# Allegro board A523-EVB-AXP717C-LPDDR4-4X-32X1-V1-0.brd (continued)
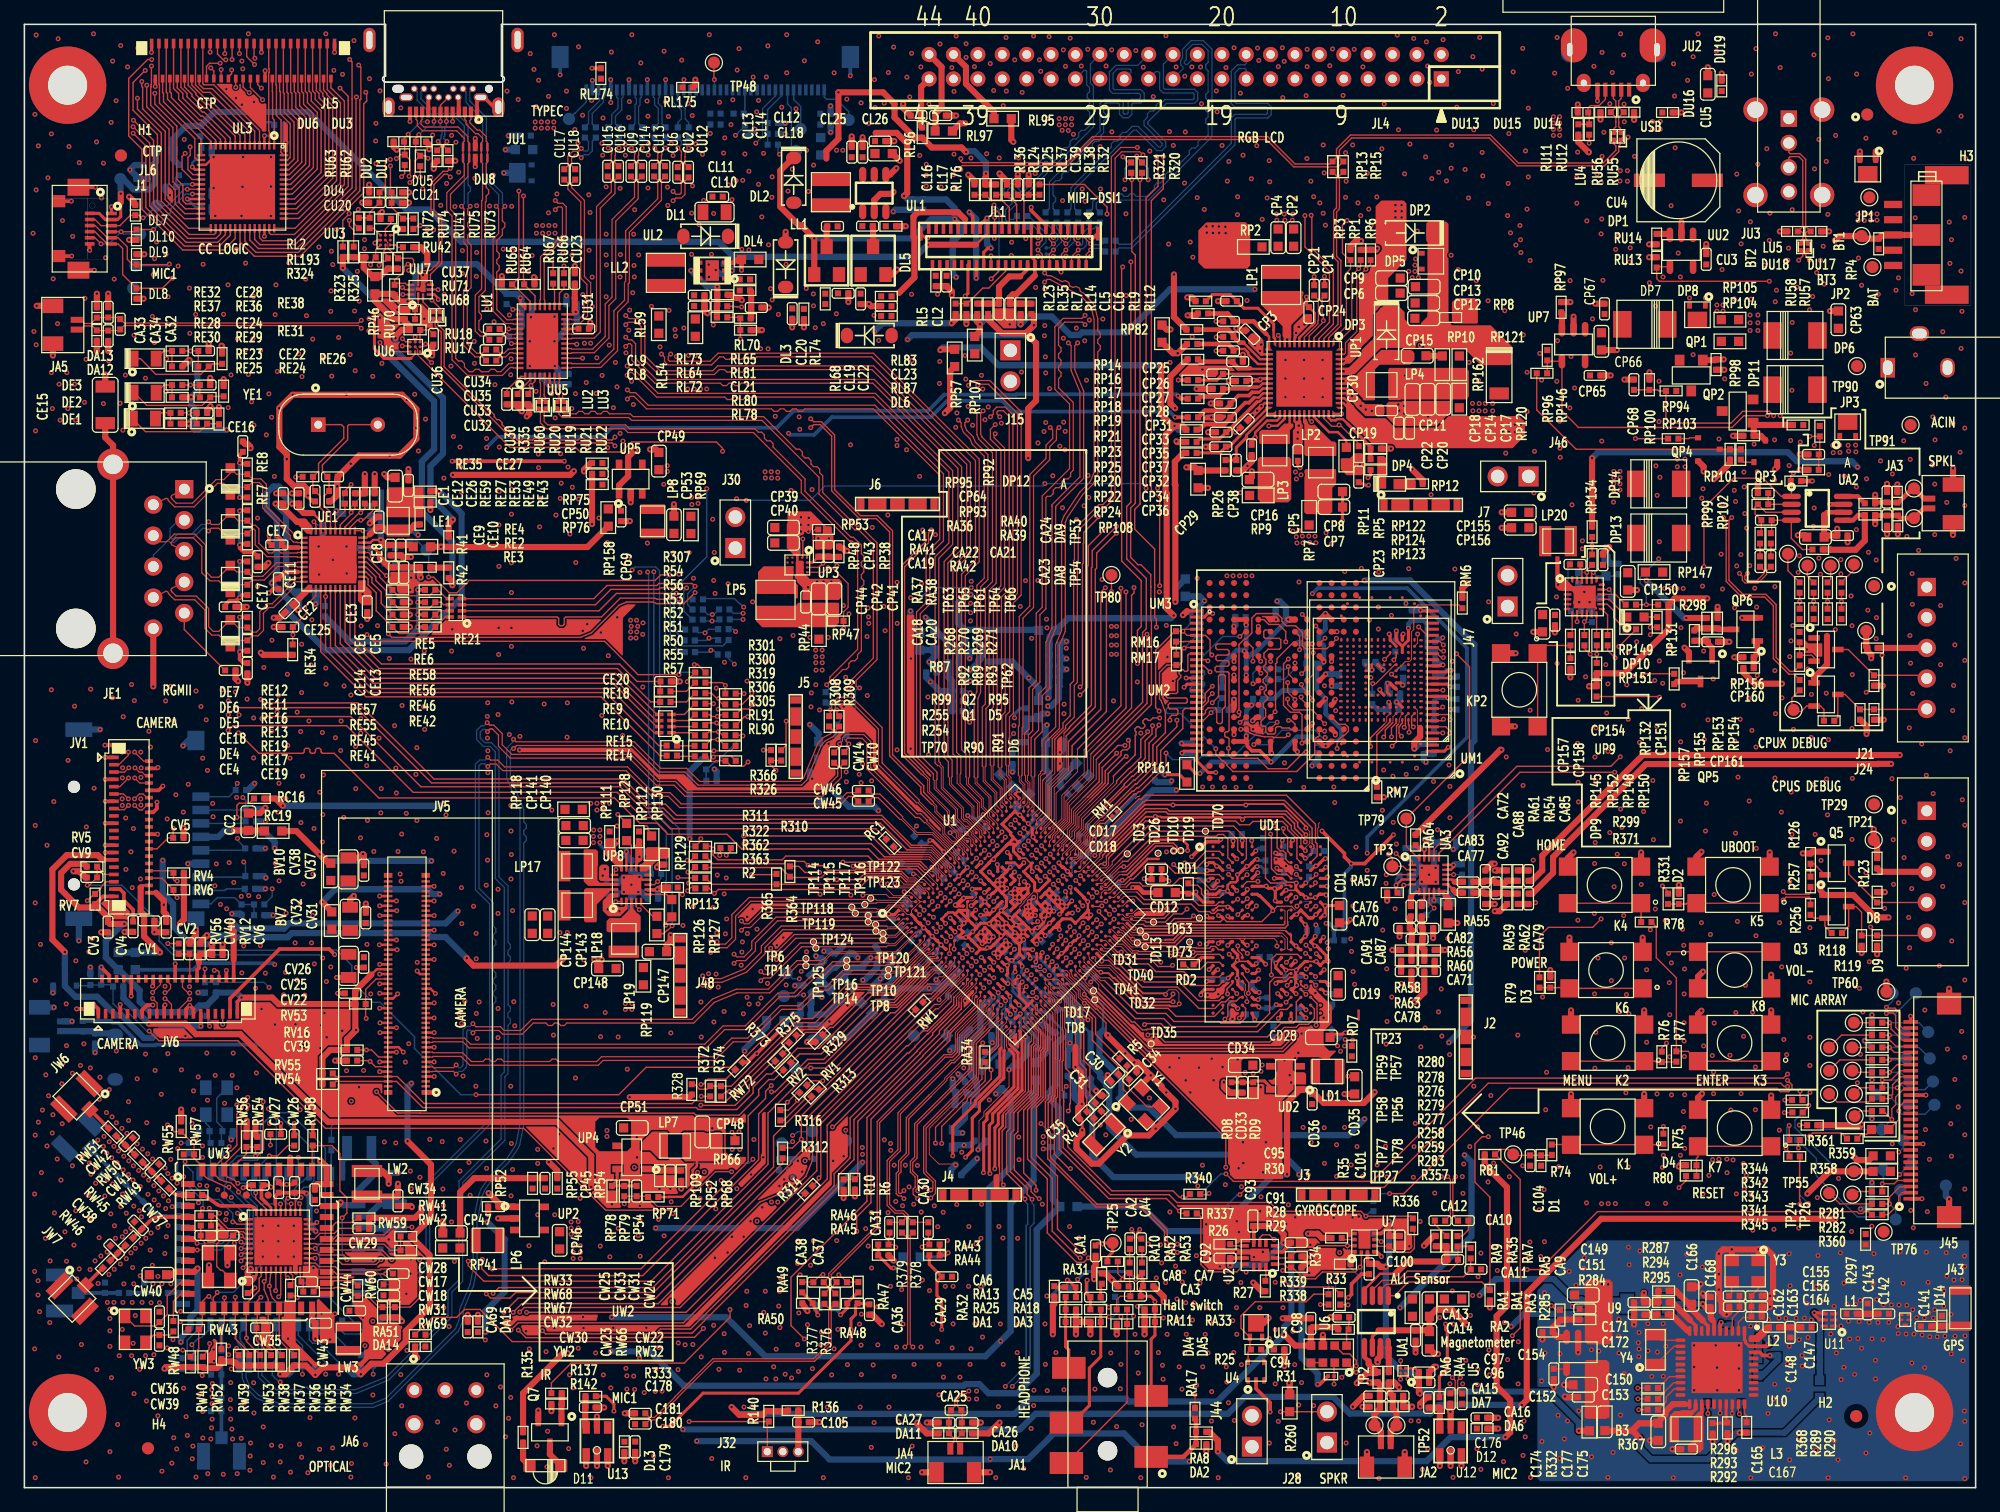
[diagram p0: board, top side]
## Placement (name value [footprint] x y rotation side) (continued)
R375  NC  [R0402]  63 36.79 225 top
R376  NC/0R  [R0402]  66.5 15.49 90 top
R377  NC/0R  [R0402]  65.61 15.49 90 top
R378  NC/0R  [R0402]  72.85 21.34 90 top
R379  NC/0R  [R0402]  71.96 21.34 90 top
RA1  0.01R-1%  [R0603]  113.82 14.76 90 top
RA2  NC/0.01R-1%  [R0603]  117.14 15.47 180 top
RA3  1M  [R0402]  120.17 15.77 90 top
RA4  0R  [R0402]  111.87 9.04 270 top
RA5  NC/20K  [R0402]  118.59 19.22 90 top
RA6  0R  [R0402]  110.98 9.04 270 top
RA7  150K  [R0402]  117.51 20.21 270 top
RA8  1M  [R0402]  96.49 4.57 0 top
RA9  NC/20K  [R0402]  115.72 20.22 90 top
RA10  2K  [R0402]  89.23 18.54 180 top
RA11  0R  [R0402]  89.99 14.61 0 top
RA13  0R  [R0402]  85.8 15.62 180 top
RA17  47K  [R0402]  95.99 6.1 270 top
RA18  0R  [R0402]  87.83 14.61 0 top
RA25  NC/100K  [R0402]  85.8 14.61 180 top
RA31  22R  [R0402]  88.34 17.14 270 top
RA32  22R  [R0402]  84.45 16.1 90 top
RA33  0R  [R0402]  92.28 14.61 0 top
RA34  1K  [R0402]  78.76 35.31 90 top
RA35  150K  [R0402]  116.61 20.22 270 top
RA36  1M  [R0402]  145.26 82.55 180 top
RA37  150K  [R0402]  142.32 77.85 90 top
RA38  150K  [R0402]  143.21 77.85 90 top
RA39  0R  [R0402]  151.33 79.76 0 top
RA40  0R  [R0402]  151.33 80.72 0 top
RA41  NC/20K  [R0402]  142.57 80.64 180 top
RA42  NC/20K  [R0402]  147.04 76.94 0 top
RA43  2.2K  [R0402]  74.63 19.94 180 top
RA44  330R  [R0402]  74.63 19.05 180 top
RA45  330R  [R0402]  70.43 19.05 0 top
RA46  2.2K  [R0402]  70.43 19.94 0 top
RA47  2.2K  [R0402]  68.38 16.43 90 top
RA48  330R  [R0402]  67.89 15.11 0 top
RA49  2.2K  [R0402]  63.78 16.43 90 top
RA50  330R  [R0402]  64.21 15.11 180 top
RA51  0R  [R0402]  32.46 12.55 0 top
RA52  1K  [R0402]  90.63 18.03 270 top
RA53  1K  [R0402]  91.64 18.03 270 top
RA54  20K-1%  [R0402]  122.45 50.19 270 top
RA55  0R  [R0603]  116.74 47.02 90 top
RA56  2K-1%  [R0402]  115.21 44.09 0 top
RA57  51K  [R0402]  112.17 48.79 180 top
RA58  2K-1%  [R0402]  113.31 44.09 0 top
RA59  2K-1%  [R0402]  121.56 48.29 270 top
RA60  20K-1%  [R0402]  115.21 43.21 180 top
RA61  2K-1%  [R0402]  121.56 50.19 270 top
RA62  20K-1%  [R0402]  122.45 48.29 90 top
RA63  20K-1%  [R0402]  113.31 43.21 0 top
RA64  0R  [R0402]  114.07 53.11 270 top
RC1  33R  [R0402]  70.98 52.87 135 top
RC15  NC/47K  [R0402]  19.25 46.94 0 bottom
RC16  NC/10K  [R0402]  19.25 56.52 0 top
RC19  2.2R  [R0603]  20.4 53.85 180 top
RC20  1K  [R0402]  19.25 47.83 180 bottom
RD1  0R  [R0402]  95.44 49.13 270 top
RD2  0R  [R0402]  95.44 42.91 0 top
RD3  240R-1%  [R0402]  101.57 52.85 270 bottom
RD4  240R-1%  [R0402]  103.24 52.16 270 bottom
RD5  120R-1%  [R0402]  86.29 51.53 45 bottom
RD6  NC/0R  [R0402]  107.81 45.87 180 bottom
RD7  NC/0.01R-1%  [R0402]  108.85 35.8 90 top
RD8  2K-1%  [R0402]  98.98 32.82 270 top
RD9  100K-1%  [R0402]  100.76 32.82 90 top
RD10  0.01R-1%  [R0402]  107.5 37.24 135 bottom
RE1  0R  [R0603]  23.24 73.37 180 bottom
RE2  0R  [R0402]  32.86 80.81 0 top
RE3  NC/0R  [R0402]  32.43 79.42 90 top
RE4  0R  [R0402]  32.86 81.73 0 top
RE5  0R  [R0603]  32.59 77.16 180 top
RE6  0R  [R0402]  32.86 75.48 180 top
RE7  NC/49.9R-1%  [R0402]  18.28 81.63 270 top
RE8  NC/49.9R-1%  [R0402]  18.28 83.53 90 top
RE9  0R  [R0402]  52.56 64.44 180 top
RE10  0R  [RA8P50B100_200H45]  52.56 62.66 180 top
RE11  NC/49.9R-1%  [R0402]  18.28 77.82 270 top
RE12  NC/49.9R-1%  [R0402]  18.28 79.72 90 top
RE13  NC/49.9R-1%  [R0402]  18.28 73.63 270 top
RE14  0R  [R0402]  53.09 60.03 180 top
RE15  0R  [R0402]  53.09 60.86 180 top
RE16  NC/49.9R-1%  [R0402]  18.28 75.53 90 top
RE17  NC/49.9R-1%  [R0402]  18.28 69.05 270 top
RE18  0R  [R0402]  52.56 65.3 180 top
RE19  NC/49.9R-1%  [R0402]  18.28 70.96 90 top
RE20  0R  [R0402]  29.97 77.06 180 bottom
RE21  0R  [RA8P50B100_200H45]  35.38 72.15 180 top
RE22  0R  [R0402]  29.84 71.72 90 bottom
RE23  NC/0R  [R0402]  12.4 88.14 180 top
RE24  0R  [R0402]  14.56 87.25 0 top
RE25  510R  [R0402]  12.4 87.25 0 top
RE26  NC/510R  [R0402]  15.96 87.63 270 top
RE27  0R  [R0402]  26.29 81.12 270 top
RE28  0R  [R0402]  12.53 90.43 180 top
RE29  NC/0R  [R0402]  14.81 89.41 0 top
RE30  NC/510R  [R0402]  12.53 89.41 0 top
RE31  510R  [R0402]  16.34 89.92 270 top
RE32  NC/0R  [R0402]  12.53 93.22 180 top
RE33  4.7K  [R0402]  28.8 78.48 180 bottom
RE34  4.7K  [R0402]  22 68.72 90 top
RE35  0R  [R0402]  23.24 82.9 0 top
RE36  0R  [R0402]  14.69 91.95 0 top
RE37  510R  [R0402]  12.53 91.95 0 top
RE38  NC/510R  [R0402]  16.21 92.59 270 top
RE39  1.5K  [R0402]  24.64 71.87 90 bottom
RE40  2.49K-1%  [R0402]  24.46 78.53 90 bottom
RE41  NC/4.7K  [R0402]  30.6 70.58 180 top
RE42  4.7K  [R0402]  33.27 70.58 180 top
RE43  NC/4.7K  [R0402]  28.72 81.12 270 top
RE44  4.7K  [R0402]  28.8 79.7 0 bottom
RE45  4.7K  [R0402]  30.6 71.59 180 top
RE46  NC/4.7K  [R0402]  33.27 71.59 180 top
RE47  4.7K  [R0402]  27.94 77.06 0 bottom
RE48  NC/4.7K  [R0402]  29.97 75.79 0 bottom
RE49  4.7K  [R0402]  27.91 81.12 270 top
RE50  NC/4.7K  [R0402]  28.8 80.51 0 bottom
RE51  4.7K  [R0402]  30.35 73.12 180 bottom
RE52  NC/4.7K  [R0402]  30.35 74.01 0 bottom
RE53  4.7K  [R0402]  27.1 81.12 270 top
RE54  NC/4.7K  [R0402]  28.8 81.6 0 bottom
RE55  4.7K  [R0402]  30.6 72.61 180 top
RE56  NC/4.7K  [R0402]  33.27 72.61 180 top
RE57  NC/4.7K  [R0402]  30.6 73.63 180 top
RE58  4.7K  [R0402]  33.27 73.63 180 top
RE59  0R  [R0402]  24.99 81.31 90 top
RL1  3K-1%  [R0402]  76.12 101.88 90 bottom
RL2  2K  [R0402]  26.11 101.35 90 top
RL3  0R  [R0402]  12.67 108.05 90 bottom
RL5  2.2K-1%  [R0402]  74.73 98.96 90 top
RL7  NC/0R  [R0402]  78.13 96.67 90 top
RL9  0R  [R0402]  81.69 96.67 90 top
RL12  NC/0R  [R0402]  82.58 96.67 90 top
RL14  0R  [R0402]  79.02 96.67 90 top
RL21  0R  [R0402]  89.05 101.37 0 bottom
RL22  0R  [R0402]  89.05 102.26 0 bottom
RL23  NC/10K  [R0402]  76.35 96.67 270 top
RL24  10K  [R0402]  78.79 106.45 90 top
RL25  10K  [R0402]  79.68 106.45 90 top
RL26  0R  [R0402]  87.3 104.17 90 bottom
RL27  0R  [R0402]  88.19 104.17 90 bottom
RL28  0R  [R0402]  86.41 104.17 90 bottom
RL29  0R  [R0402]  85.52 104.17 90 bottom
RL30  0R  [R0402]  83.74 104.17 90 bottom
RL31  0R  [R0402]  84.63 104.17 90 bottom
RL32  1.5K  [R0402]  83.24 106.45 270 top
RL33  0R  [R0402]  81.81 104.29 180 bottom
RL34  0R  [R0402]  81.81 103.4 180 bottom
RL35  10K  [R0402]  77.24 96.67 90 top
RL36  NC/10K  [R0402]  77.9 106.45 270 top
RL37  NC/10K  [R0402]  80.57 106.45 270 top
RL38  1.8K  [R0402]  82.35 106.45 270 top
RL54  0.01R-1%  [R0603]  55.01 95.13 90 top
RL59  NC/0.01R-1%  [R0603]  52.02 95.38 90 top
RL63  75K-1%  [R0402]  73.71 105.22 90 bottom
RL64  NC/0R  [R0402]  57.21 96.89 180 top
RL65  0R  [R0402]  59.08 99.09 180 top
RL68  2K  [R0402]  65.67 97.49 270 top
RL70  2.2R-1%  [R0603]  59.51 100.72 180 top
RL72  0R  [R0402]  57.21 95.97 180 top
RL73  100K  [R0402]  57.24 97.83 180 top
RL74  47K  [R0402]  63.92 96.24 90 top
RL76  11K-1%  [R0402]  71.05 103.45 180 top
RL78  NC/4.7K-1%  [R0402]  59.13 94.92 0 top
RL80  NC/4.7K-1%  [R0402]  59.13 95.89 180 top
RL81  NC/24K-1%  [R0402]  59.08 98.18 0 top
RL83  1K  [R0402]  70.68 97.7 0 top
RL87  47K  [R0402]  70.68 96.08 0 top
RL88  0R  [R0402]  57.41 71.2 0 bottom
RL89  0R  [R0402]  57.38 72.03 0 bottom
RL90  0R  [R0402]  57.91 59.61 0 top
RL91  0R  [R0402]  57.89 60.83 0 top
RL95  0R  [R0603]  80.21 112.27 0 top
RL96  0R  [R0402]  73.61 111.12 90 top
RL97  0R  [R0603]  75.39 111.25 0 top
RL174  0R  [R0402]  47.27 115.98 270 top
RL175  NC/0R  [R0402]  54.38 114.83 180 top
RL176  10K  [R0402]  58.57 112.67 0 bottom
RL177  NC/10K  [R0402]  59.08 111.28 270 bottom
RL187  NC/0R  [R0402]  91.64 108.25 90 bottom
RL188  NC/0R  [R0402]  90.75 108.25 90 bottom
RL189  1.5K  [R0402]  61.37 110.13 180 bottom
RL190  1.8K  [R0402]  61.37 111.02 180 bottom
RL192  0.01R-1%  [R0603]  65.3 110.01 90 bottom
RL193  2K  [R0402]  27 101.35 90 top
RL194  0R  [R0402]  19.51 112.39 90 bottom
RL195  NC/0R  [R0402]  14.43 111.25 90 bottom
RM1  33R  [R0201]  89.39 55.26 45 top
RM2  NC/10K  [R0402]  102.39 66.29 0 bottom
RM3  NC/10K  [R0402]  102.39 67.11 0 bottom
RM4  NC/10K  [R0402]  101.18 64.69 180 bottom
RM5  NC/10K  [R0402]  104.55 69.7 270 bottom
RM6  0R  [R0402]  117.91 72.54 270 top
RM7  0R  [R0402]  110.9 57.05 90 top
RM8  NC/10K  [R0402]  110.52 64.67 270 bottom
RM9  NC/10K  [R0402]  112.42 68.99 90 bottom
RM10  NC/10K  [R0402]  113.06 66.83 270 bottom
RM11  NC/0R  [R0402]  115.67 67.08 90 bottom
RM12  NC/0R  [R0402]  115.6 62.51 90 bottom
RM13  10K  [R0402]  98.2 65.18 90 bottom
RM14  NC/10K  [R0402]  96.04 71.81 0 bottom
RM15  NC/10K  [R0402]  96.34 70.13 90 bottom
RM16  NC/0R  [R0402]  94.43 69.81 90 top
RM17  NC/0R  [R0402]  94.46 67.89 270 top
RP1  NC/2K  [R0402]  109.58 101.09 270 top
RP2  0.01R-1%  [R0603]  100.77 101.75 180 top
RP3  NC/10K  [R0402]  108.74 101.09 270 top
RP4  10K  [R0402]  152.04 102.01 90 top
RP5  10K  [R0402]  109.41 84.98 90 top
RP6  NC/2K  [R0402]  110.39 101.09 270 top
RP7  0.01R-1%  [R0603]  105.34 79.65 270 top
RP8  0R  [R0402]  116.95 95.96 180 top
RP9  0.01R-1%  [R0603]  101.17 81.37 180 top
RP10  NC  [R0603]  116.27 92.1 90 top
RP11  0.01R-1%  [R0603]  108.39 84.6 270 top
RP12  10K  [R0402]  114.23 82.32 180 top
RP13  470R  [R0402]  107.26 108.33 90 top
RP14  0.01R-1%  [R0402]  96.45 97.3 0 top
RP15  470R  [R0402]  108.15 108.33 90 top
RP16  0.01R-1%  [R0402]  96.64 96.29 0 top
RP17  0.01R-1%  [R0402]  95.72 94.97 0 top
RP18  0.01R-1%  [R0402]  95.75 93.79 0 top
RP19  0.01R-1%  [R0402]  95.8 92.53 0 top
RP20  0.01R-1%  [R0402]  95.69 86.76 180 top
RP21  0.01R-1%  [R0402]  95.82 90.83 0 top
RP22  0.01R-1%  [R0402]  95.69 85.75 180 top
RP23  0.01R-1%  [R0402]  95.82 89.3 0 top
RP24  0.01R-1%  [R0402]  95.69 84.86 180 top
RP25  0.01R-1%  [R0402]  95.82 87.78 0 top
RP26  0.01R-1%  [R0402]  98.49 83.84 270 top
RP27  0.01R-1%  [R0603]  61.57 38.3 0 bottom
RP29  NC/0.01R-1%  [R0603]  95.18 73.81 270 bottom
RP30  0.01R-1%  [R0603]  65.13 60.46 270 bottom
RP31  0.01R-1%  [R0603]  85.61 23.05 180 bottom
RP33  NC/0.01R-1%  [R0603]  74.65 69.41 270 bottom
RP38  100K  [R0402]  66.8 76.76 90 top
RP39  0.01R-1%  [R0402]  73.64 42.39 315 bottom
RP40  NC/0.01R-1%  [R0603]  67.4 40.51 45 bottom
RP41  0.01R-1%  [R0603]  35.01 19.65 180 top
RP42  0.01R-1%  [R0402]  71.33 43.57 225 bottom
RP43  0.01R-1%  [R0402]  82.09 61.56 90 bottom
RP44  0.01R-1%  [R0603]  65.15 70.29 270 top
RP46  0.01R-1%  [R0603]  28.74 98.61 90 top
RP47  NC/100R  [R0402]  66.75 71.07 180 top
RP48  NC/100K  [R0402]  65.1 76.77 270 top
RP49  NC/0.01R-1%  [R0603]  65.32 56.94 90 bottom
RP51  0.01R-1%  [R0402]  80.14 33.18 90 bottom
RP52  100K  [R0402]  38.45 23.05 0 top
RP53  100K  [R0402]  65.52 78.58 180 top
RP54  20K-1%  [R0402]  43.7 24.95 270 top
RP55  91K-1%  [R0402]  41.67 24.95 90 top
RP57  0.01R-1%  [R0603]  76.28 92.64 270 top
RP66  0.01R-1%  [R0603]  57.55 28.45 0 top
RP67  0.01R-1%  [R0603]  83.87 70.31 0 bottom
RP68  100K  [R0402]  53.86 25.58 90 top
RP69  NC/0.01R-1%  [R0603]  54.65 78.95 90 top
RP71  NC/0R  [R0402]  51.55 23.83 0 top
RP75  20K-1%  [R0402]  46.97 84.03 0 top
RP76  91K-1%  [R0402]  46.97 82.26 180 top
RP78  20K-1%  [R0402]  48.17 24.32 90 top
RP79  10K-1%  [R0402]  49.19 24.32 270 top
RP81  0.01R-1%  [R0603]  73.41 69.39 270 bottom
RP82  0.01R-1%  [R0603]  93.28 94.64 90 top
RP83  0.01R-1%  [R0603]  89.44 32.43 135 bottom
RP85  NC/0.01R-1%  [R0603]  76.18 28.63 90 bottom
RP92  100K  [R0402]  147.22 86.64 90 top
RP93  100K  [R0402]  146.71 83.46 0 top
RP94  100K  [R0402]  135.03 89.94 0 top
RP95  2.2K  [R0402]  145.44 87.15 0 top
RP96  0R  [R0402]  124.43 91.39 0 top
RP97  6K8-1%  [R0402]  126.01 96.8 90 top
RP98  100K  [R0402]  138.71 92.1 90 top
RP99  NC/47K  [R0402]  139.85 84.73 270 top
RP100  100K  [R0402]  133.25 90.45 270 top
RP101  22K  [R0402]  141.38 86.26 0 top
RP102  NC/47K  [R0402]  140.74 84.73 270 top
RP103  NC/47K  [R0402]  135.2 86.03 0 top
RP104  NC/0R  [R0603]  139.85 94.01 0 top
RP105  NC/0R  [R0603]  139.85 95.78 0 top
RP106  0.01R-1%  [R0603]  66.55 41.36 45 bottom
RP107  NC/0.01R-1%  [R0603]  77.93 93.7 90 top
RP108  0.01R-1%  [R0603]  96.24 82.7 270 top
RP109  NC/100K  [R0402]  52.08 25.58 90 top
RP111  0.01R-1%  [R0402]  47.99 53.39 270 top
RP112  0.01R-1%  [R0402]  50.4 53.39 270 top
RP113  0.01R-1%  [R0402]  53.14 49.22 180 top
RP118  NC/0.01R-1%  [R0603]  45.03 55.63 0 top
RP119  NC/0.01R-1%  [R0603]  50.76 41.94 270 top
RP120  0R  [R0603]  117.66 89.26 270 top
RP121  NC/0.01R-1%  [R0603]  117.66 92.1 270 top
RP122  NC/0R  [R0402]  110.8 85.21 0 top
RP123  NC/0R  [R0402]  110.8 83.46 180 top
RP124  0R  [R0402]  110.8 84.35 180 top
RP125  NC/0.01R-1%  [R0603]  83.46 32.21 0 bottom
RP126  0R  [R0603]  51.86 46.14 90 top
RP127  0R  [R0603]  53.08 47.52 90 top
RP128  0R  [R0603]  49.38 53.77 270 top
RP129  10K  [R0402]  52.47 51.52 90 top
RP130  0R  [R0603]  51.42 52.73 270 top
RP131  10K  [R0402]  133.89 70.98 90 top
RP132  10K  [R0402]  128.55 76.1 270 top
RP133  10K  [R0402]  127.23 71.91 180 bottom
RP134  NC/0R  [R0402]  128.55 78.38 270 top
RP135  100K  [R0402]  128.55 71.4 270 bottom
RP136  100K  [R0402]  129.69 72.92 0 bottom
RP139  NC/0.01R-1%  [R0603]  7.7 43.18 90 bottom
RP142  0.01R-1%  [R0603]  9.09 43.18 90 bottom
RP145  4.7K  [R0402]  126.77 69.49 90 top
RP146  NC  [R0402]  124.87 92.86 270 top
RP147  0.01R-1%  [R0603]  133.63 75.08 180 top
RP148  0R  [R0402]  128.93 69.49 270 top
RP149  0R  [R0402]  131.72 72.42 0 top
RP150  0R  [R0402]  129.82 69.49 270 top
RP151  0R  [R0402]  131.72 70.38 0 top
RP152  0R  [R0402]  127.91 69.49 270 top
RP153  100K  [R0402]  137.95 70.89 90 top
RP154  100K  [R0402]  138.84 70.89 270 top
RP155  1K  [R0402]  136.93 69.88 90 top
RP156  1K  [R0402]  141.38 67.21 180 top
RP157  NC/0R  [R0402]  135.28 66.32 270 top
RP158  NC/0.01R-1%  [R0603]  47.88 79.55 270 top
RP159  0.01R-1%  [R0603]  70.01 39.4 45 bottom
RP160  0.01R-1%  [R0603]  82.96 34.14 270 bottom
RP161  0.01R-1%  [R0603]  95.33 58.57 270 top
RP162  NC/0R  [R1206]  120.93 91.23 90 top
RU10  4.7K  [R0402]  39.54 97.49 270 bottom
RU11  47K  [R0402]  127.42 111.38 270 top
RU12  1K  [R0402]  128.31 111.38 270 top
RU13  100K  [R0402]  133.84 100.48 270 top
RU14  6K8-1%  [R0402]  133.84 102.39 90 top
RU15  0R  [R0402]  65.69 64.81 270 bottom
RU16  0R  [R0402]  66.58 64.81 270 bottom
RU17  0R  [R0201]  34.1 96.14 270 top
RU18  0R  [R0201]  33.47 96.14 270 top
RU19  0R  [R0201]  42.75 88.77 270 top
RU20  0R  [R0201]  42.11 88.77 270 top
RU21  0R  [R0201]  43.68 88.78 270 top
RU22  0R  [R0201]  44.31 88.78 270 top
RU41  0R  [R0402]  29.62 104.05 180 top
RU42  0R  [R0402]  31.46 101.72 0 top
RU55  0R  [R0201]  130.92 110.82 270 top
RU56  0R  [R0201]  130.31 110.82 270 top
RU57  0R  [R0201]  146.25 101.75 270 top
RU58  0R  [R0201]  145.62 101.75 270 top
RU59  4.7K  [R0402]  41.96 91.17 180 bottom
RU60  NC/4.7K  [R0402]  41.32 89.26 90 top
RU61  NC/4.7K  [R0402]  40.17 94.39 0 bottom
RU62  0R  [R0402]  32.46 108.8 90 top
RU63  0R  [R0402]  31.18 108.89 90 top
RU64  2M  [R0402]  41.4 98.68 0 top
RU65  2M  [R0402]  39.57 98.68 180 top
RU66  0R  [R0402]  44.24 99.17 90 top
RU67  0R  [R0402]  43.35 99.17 90 top
RU68  0R  [R0402]  32.03 94.94 180 top
RU69  100K  [R0402]  32.27 98.33 180 bottom
RU70  100K  [R0402]  30.35 98.22 270 top
RU71  0R  [R0402]  31.61 95.82 0 top
RU72  NC/0R  [R0402]  27.42 103.71 90 top
RU73  NC/0R  [R0402]  31.89 103.65 90 top
RU74  0R  [R0402]  28.31 103.71 90 top
RU75  0R  [R0402]  31.05 103.64 90 top
RU76  0R  [R0402]  89.43 16.08 270 bottom
RU77  0R  [R0402]  85.27 16.38 180 bottom
RU78  0R  [R0402]  92.28 14.61 180 bottom
RU79  0R  [R0402]  87.83 15.62 0 bottom
RV1  33R  [R0402]  63.86 32.7 225 top
RV2  33R  [R0402]  62.55 34.55 225 top
RV3  100K  [R0402]  15.7 41.02 90 bottom
RV4  100K  [R0402]  12.65 50.42 180 top
RV5  100K  [R0402]  5.54 50.93 0 top
RV6  2K  [R0402]  12.65 49.02 180 top
RV7  2K  [R0402]  5.79 48.26 90 top
RV8  100K  [R0402]  14.94 39.12 270 bottom
RV12  NC/4.7R  [R0402]  14.43 44.2 270 top
RV13  NC/10K  [R0402]  7.7 41.1 180 bottom
RV14  NC/10K  [R0402]  6.3 41.67 270 bottom
RV16  100K  [R0402]  26.87 35.89 0 top
RV53  100K  [R0402]  27.56 39.65 0 top
RV54  2K  [R0402]  24.86 33.06 0 top
RV55  2K  [R0402]  24.86 33.96 0 top
RV56  33R  [R0402]  12.65 44.2 270 top
RW1  33R  [R0402]  73.38 39.51 225 top
RW2  0R  [R0402]  10.06 23.14 315 bottom
RW3  0R  [R0402]  11.35 15.96 0 bottom
RW4  NC/10K  [R0402]  12.98 10.19 270 bottom
RW5  NC/10K  [R0402]  27.58 10.44 270 bottom
RW6  0R  [R0402]  16.15 10.82 90 bottom
RW7  0R  [R0402]  16.15 27.84 90 bottom
RW8  0R  [R0402]  15.27 27.84 90 bottom
RW11  0R  [R0402]  29.62 19.53 180 bottom
RW12  NC/10K  [R0402]  24.28 9.93 180 bottom
RW13  NC/10K  [R0402]  26.19 9.93 0 bottom
RW14  NC/10K  [R0402]  22.38 9.93 180 bottom
RW15  NC/10K  [R0402]  20.98 10.44 270 bottom
RW18  NC/10K  [R0402]  22.38 10.82 0 bottom
RW19  0R  [R0402]  13.49 27.84 270 bottom
RW31  NC/10K  [R0402]  29.36 14.38 270 top
RW32  NC/0R  [R0402]  23.29 16.08 180 top
RW33  NC/0R  [R0402]  14.15 23.99 180 top
RW34  33K  [R0402]  22.12 10.44 270 top
RW35  33K  [R0402]  21.11 10.44 270 top
RW36  33K  [R0402]  20.22 10.44 270 top
RW37  33K  [R0402]  19.33 10.44 270 top
RW38  33K  [R0402]  18.44 10.44 270 top
RW39  33K  [R0402]  16.15 10.95 270 top
RW40  NC/100K  [R0402]  13.61 10.31 270 top
RW41  0R  [R0402]  31.27 20.6 0 top
RW42  NC/0R  [R0402]  31.27 19.46 0 top
RW43  100K  [R0402]  13.87 12.98 0 top
RW44  NC/10K  [R0402]  12.09 10.19 270 bottom
RW45  0R  [R0402]  8.59 20.17 225 top
RW46  0R  [R0402]  6.73 18.31 225 top
RW47  NC/100K  [R0402]  13.87 10.19 90 bottom
RW48  NC/0R  [R0402]  12.22 13.23 270 top
RW49  0R  [R0402]  11.54 24.84 135 top
RW50  0R  [R0402]  9.38 27 135 top
RW51  0R  [R0402]  7.22 29.15 135 top
RW52  10K  [R0402]  14.63 10.31 270 top
RW53  10K  [R0402]  17.55 10.44 270 top
RW54  NC/10K  [R0402]  19.1 28.36 90 top
RW55  NC/10K  [R0402]  12.85 29.62 90 top
RW56  NC/10K  [R0402]  18.21 28.36 270 top
RW57  NC/10K  [R0402]  13.49 27.33 0 top
RW58  100K  [R0402]  23.65 28.47 270 top
RW59  NC/0R  [R0402]  27.84 22.12 0 top
RW60  NC/0R  [R0402]  27.33 16.15 90 top
RW66  NC/0R  [R0402]  21.82 16.18 90 top
RW67  0R  [R0402]  14.88 21.49 180 top
RW68  NC/0R  [R0402]  14.88 22.3 180 top
RW69  10K  [R0402]  30.38 14.38 270 top
RW70  0R  [R0402]  28.6 10.44 90 bottom
RW71  0R  [R0402]  25.17 28.09 270 bottom
RW72  10K  [R0402]  58.6 34.57 45 top
RW73  10K  [R0402]  62.33 24.13 0 bottom
TD3  SDQ5  [TP30]  90.43 51.98 0 top
TD8  SDQS3P  [TP30]  87.77 40.01 0 top
TD10  SDQS0P  [TP30]  94.24 52.22 0 top
TD13  SCS0-A  [TP30]  92.59 46.38 0 top
TD14  SCS0-B  [TP30]  88.11 47.26 180 bottom
TD17  SDQS3N  [TP30]  87.65 40.75 0 top
TD18  SDQ27  [TP30]  85.8 43.07 180 bottom
TD19  SDQS0N  [TP30]  94.82 52.24 0 top
TD22  SAA5  [TP30]  89.38 47.37 180 bottom
TD23  SAB0  [TP30]  87.19 45.93 180 bottom
TD26  GND  [TP30]  92.96 52.02 0 top
TD29  SDQS3P  [TP30]  105.08 40.45 180 bottom
TD31  SCKP-A  [TP30]  91.49 45.66 0 top
TD32  SCKP-B  [TP30]  91.9 44.35 0 top
TD35  GND  [TP30]  92.39 36.4 0 top
TD38  SDQS3N  [TP30]  105.08 41.1 180 bottom
TD40  SCKN-A  [TP30]  91.95 45.2 0 top
TD41  SCKN-B  [TP30]  91.26 44.67 0 top
TD47  GND  [TP30]  86.48 45.26 180 bottom
TD49  GND  [TP30]  85.04 43.81 180 bottom
TD53  GND  [TP30]  96.35 46.71 0 top
TD54  GND  [TP30]  87.44 46.96 180 bottom
TD66  SDQS0N  [TP30]  98.74 50.29 180 bottom
TD69  SDQS0P  [TP30]  98.74 50.94 180 bottom
TD70  SDQ5  [TP30]  96.84 53.84 0 top
TD71  SDQ27  [TP30]  105.92 37.93 180 bottom
TD72  GND  [TP30]  104.65 36.71 180 bottom
TD73  GND  [TP30]  95.55 44.74 0 top
TP2  SPKR+  [TP100]  110.7 5.11 0 top
TP3  TRACE-D0  [TP100]  112.17 50.95 0 top
TP4  TP-SDA  [TP100]  8.93 98.36 0 bottom
TP5  TP-RST  [TP100]  9.49 102.8 0 bottom
TP6  TEST  [TP30]  64.08 43.38 180 top
TP8  TEST  [TP30]  70.82 41.96 90 top
TP10  TEST  [TP30]  70.87 42.49 0 top
TP11  TEST  [TP30]  64.08 42.8 0 top
TP14  TEST  [TP30]  67.41 42.72 0 top
TP16  TEST  [TP30]  67.44 43.26 0 top
TP19  CLK-FANOUT0  [TP100]  32.97 76.89 0 bottom
TP21  VCC-3V3  [TP100]  151.64 53.11 180 top
TP23  DSP-TMS  [TP100]  150.01 38.13 180 top
TP24  DSP-TCK  [TP100]  147.98 24.16 180 top
TP25  test  [TP100]  89.23 20.07 90 top
TP26  DSP-TDO  [TP100]  149.89 24.03 0 top
TP27  DSP-TDI  [TP100]  150.08 30.46 0 top
TP29  GND  [TP100]  151.66 56.03 0 top
TP45  GPADC1  [TP100]  62.09 28.24 180 bottom
TP46  LRADC0  [TP100]  122.07 27.33 0 top
TP47  WP  [TP100]  44.65 112.24 180 bottom
TP48  BIST  [TP100]  56.54 116.87 0 top
TP49  SDA  [TP100]  63.27 109.63 180 bottom
TP50  SCL  [TP100]  63.65 111.4 180 bottom
TP51  GP01  [TP100]  67.59 112.17 180 bottom
TP52  SPKR-  [TP100]  112.51 5.11 90 top
TP53  SPKL-  [TP100]  154.94 81.94 270 top
TP54  SPKL+  [TP100]  154.94 79.5 270 top
TP55  VCC-3V3  [TP100]  150.01 25.93 180 top
TP56  CPUS-TDO  [TP100]  149.89 34.19 180 top
TP57  CPUS-TCK  [TP100]  149.89 36.09 180 top
TP58  CPUS-TDI  [TP100]  147.98 34.19 90 top
TP59  CPUS-TMS  [TP100]  147.98 36.09 90 top
TP60  GND  [TP100]  152.68 40.67 0 top
TP61  CPUX-TMS  [TP100]  148.11 75.62 270 top
TP62  VCC-3V3  [TP100]  151.03 70.26 0 top
TP63  CPUX-TDI  [TP100]  144.6 76.58 270 top
TP64  CPUX-TDO  [TP100]  150.01 75.72 270 top
TP65  CPUX-TCK  [TP100]  146.2 75.62 180 top
TP66  GND  [TP100]  151.66 73.94 0 top
TP70  TRACE-D1  [TP100]  145.06 63.78 180 top
TP71  TEST  [TP30]  83.79 101.68 90 bottom
TP72  TEST  [TP30]  83.79 101.17 180 bottom
TP73  LRADC1  [TP100]  151.79 32.23 180 bottom
TP74  GPADC2  [TP100]  64.59 29.21 180 bottom
TP75  GPADC3  [TP100]  67.39 28.45 180 bottom
TP76  GND  [TP100]  152.45 20.98 0 top
TP77  DSP-RX  [TP100]  147.98 32.28 0 top
TP78  DSP-TX  [TP100]  150.01 32.28 0 top
TP79  TRACE-D2  [TP100]  113.31 54.86 90 top
TP80  TRACE-CLK  [TP100]  89.14 74.84 0 top
TP81  VCC-CTP  [TP100]  7.87 107.31 90 bottom
TP82  TP-SCK  [TP100]  9.11 100.2 90 bottom
TP83  TP-INT  [TP100]  10.82 105.13 90 bottom
TP87  PG10  [TP100]  72.93 37.07 180 bottom
TP88  PK10  [TP100]  62.51 42.22 180 bottom
TP89  PK11  [TP100]  62.28 40.31 180 bottom
TP90  AC-IN  [TP100]  150.27 91.97 0 top
TP91  GND  [TP100]  154.66 87.15 0 top
TP92  TWI2-SCK  [TP100]  153.19 40.54 180 bottom
TP93  TWI2-SDA  [TP100]  155.09 40.54 180 bottom
TP94  I2S0-MCLK  [TP100]  156.11 37.36 180 bottom
TP95  I2S0-BCLK  [TP100]  154.2 37.24 180 bottom